# Altium PCB PCB_IC.PcbDoc (part 1 of 4)
Units mm, origin at the board's own origin, x right, y up, seen from the top; angles counter-clockwise.
Board outline 86.27 x 163.53 mm, 4 copper layers (Top Layer, Mid 1, Mid 2, Bottom Layer), stack 0.778 mm thick; 429 components, 360 nets, 1348 pads, 311 vias.
Unrouted connection lines stored in the file: 4.
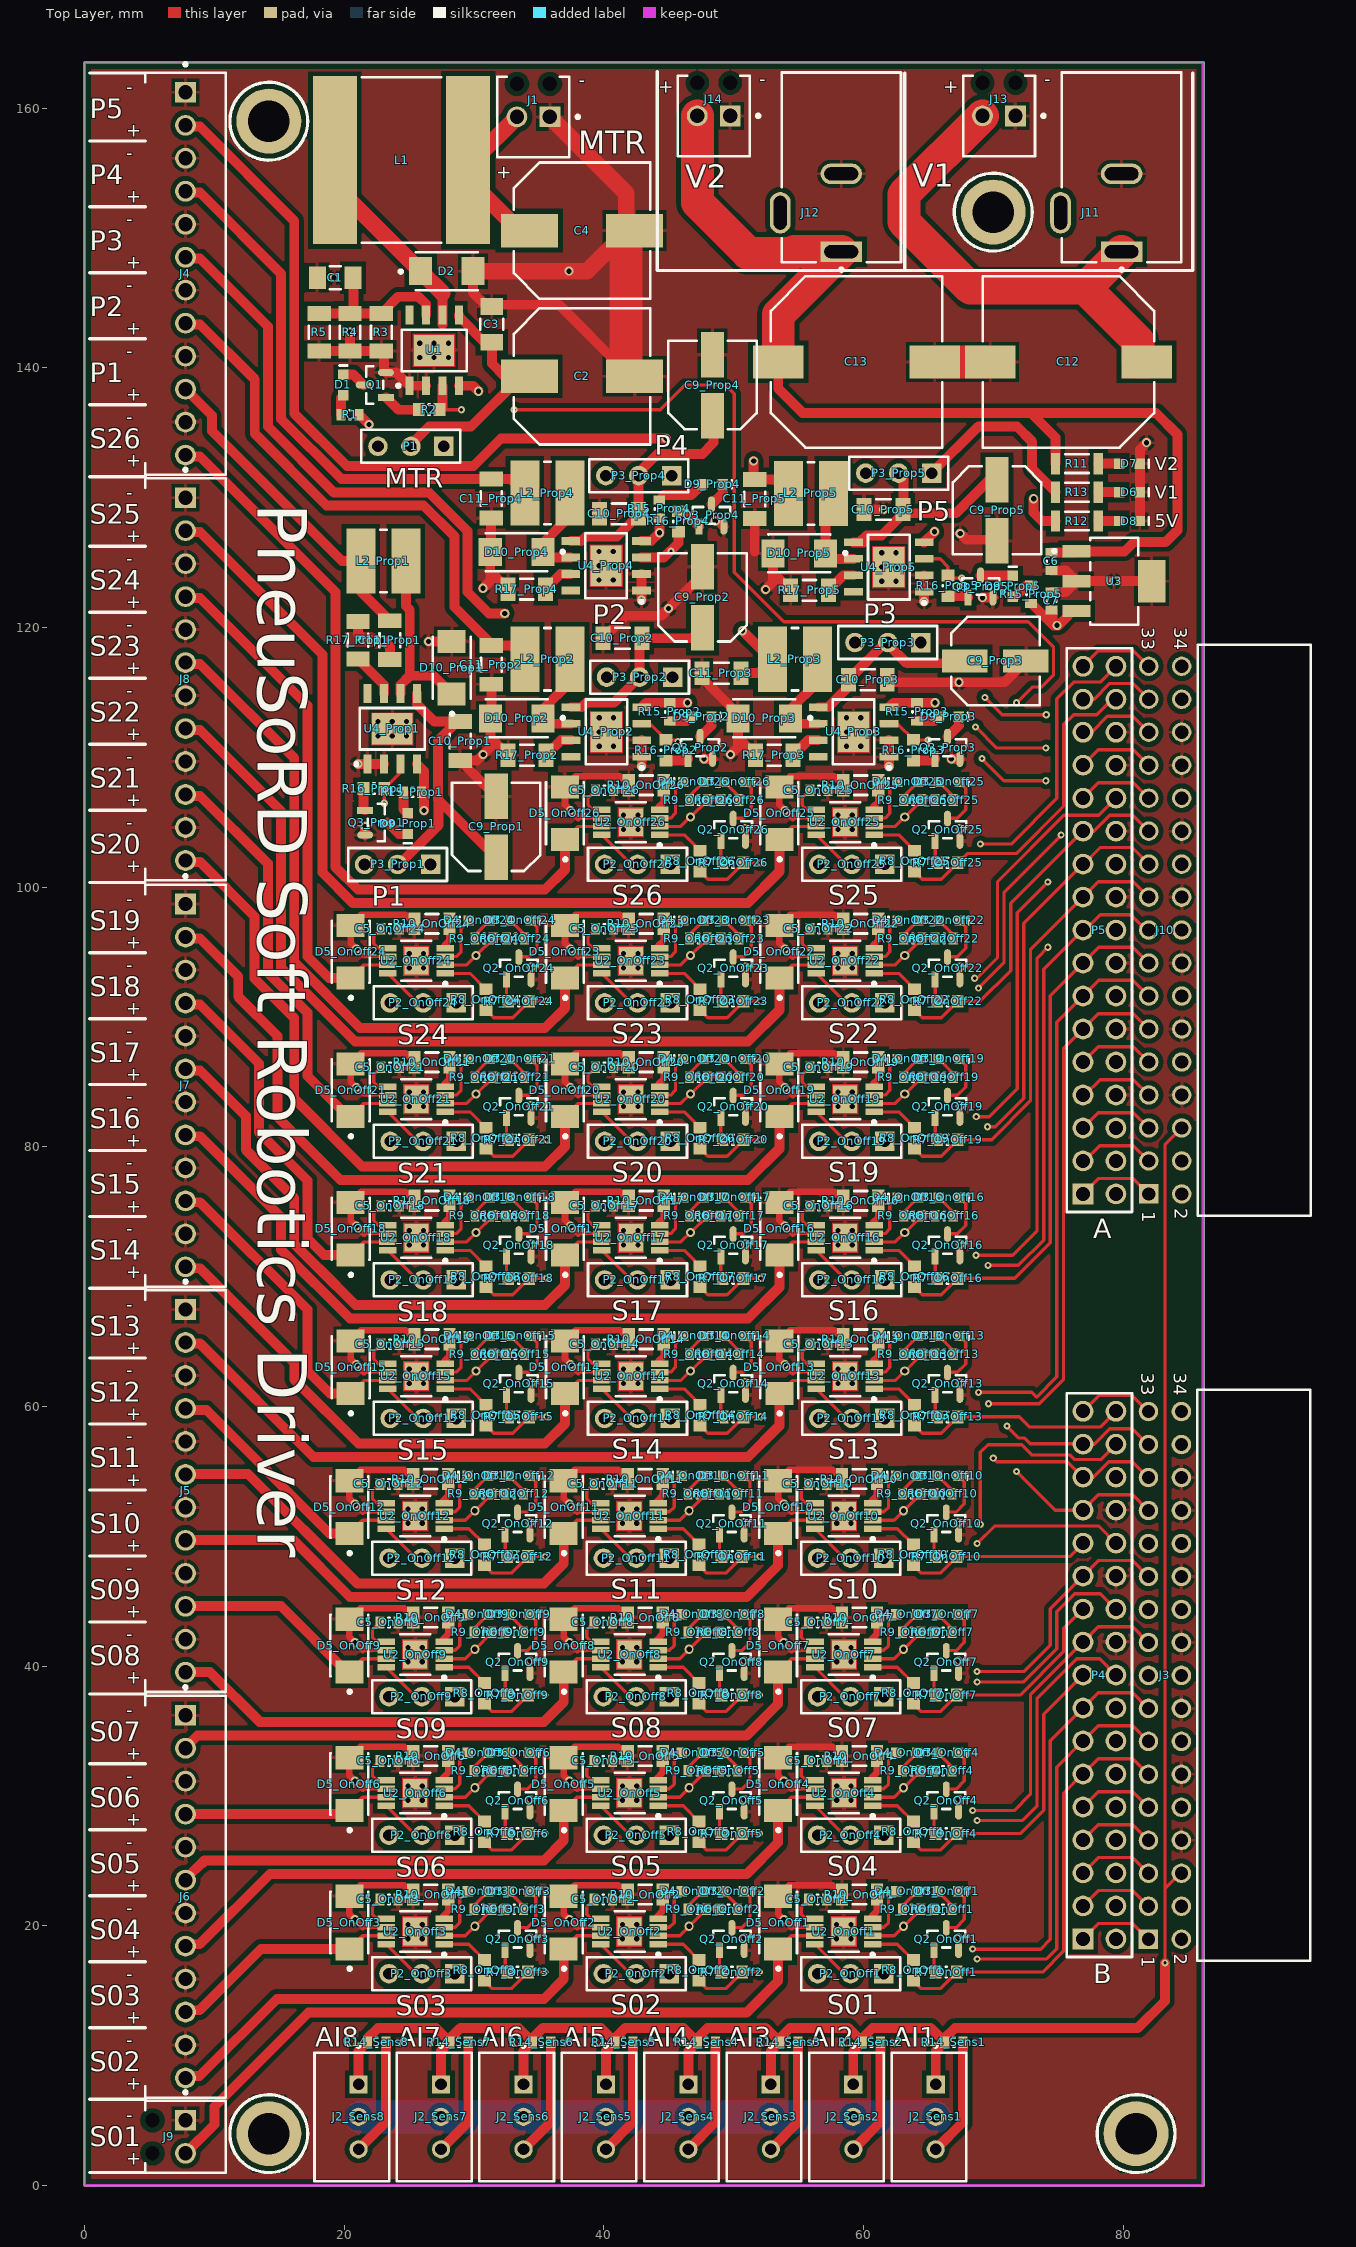
[diagram p0: Top Layer view]
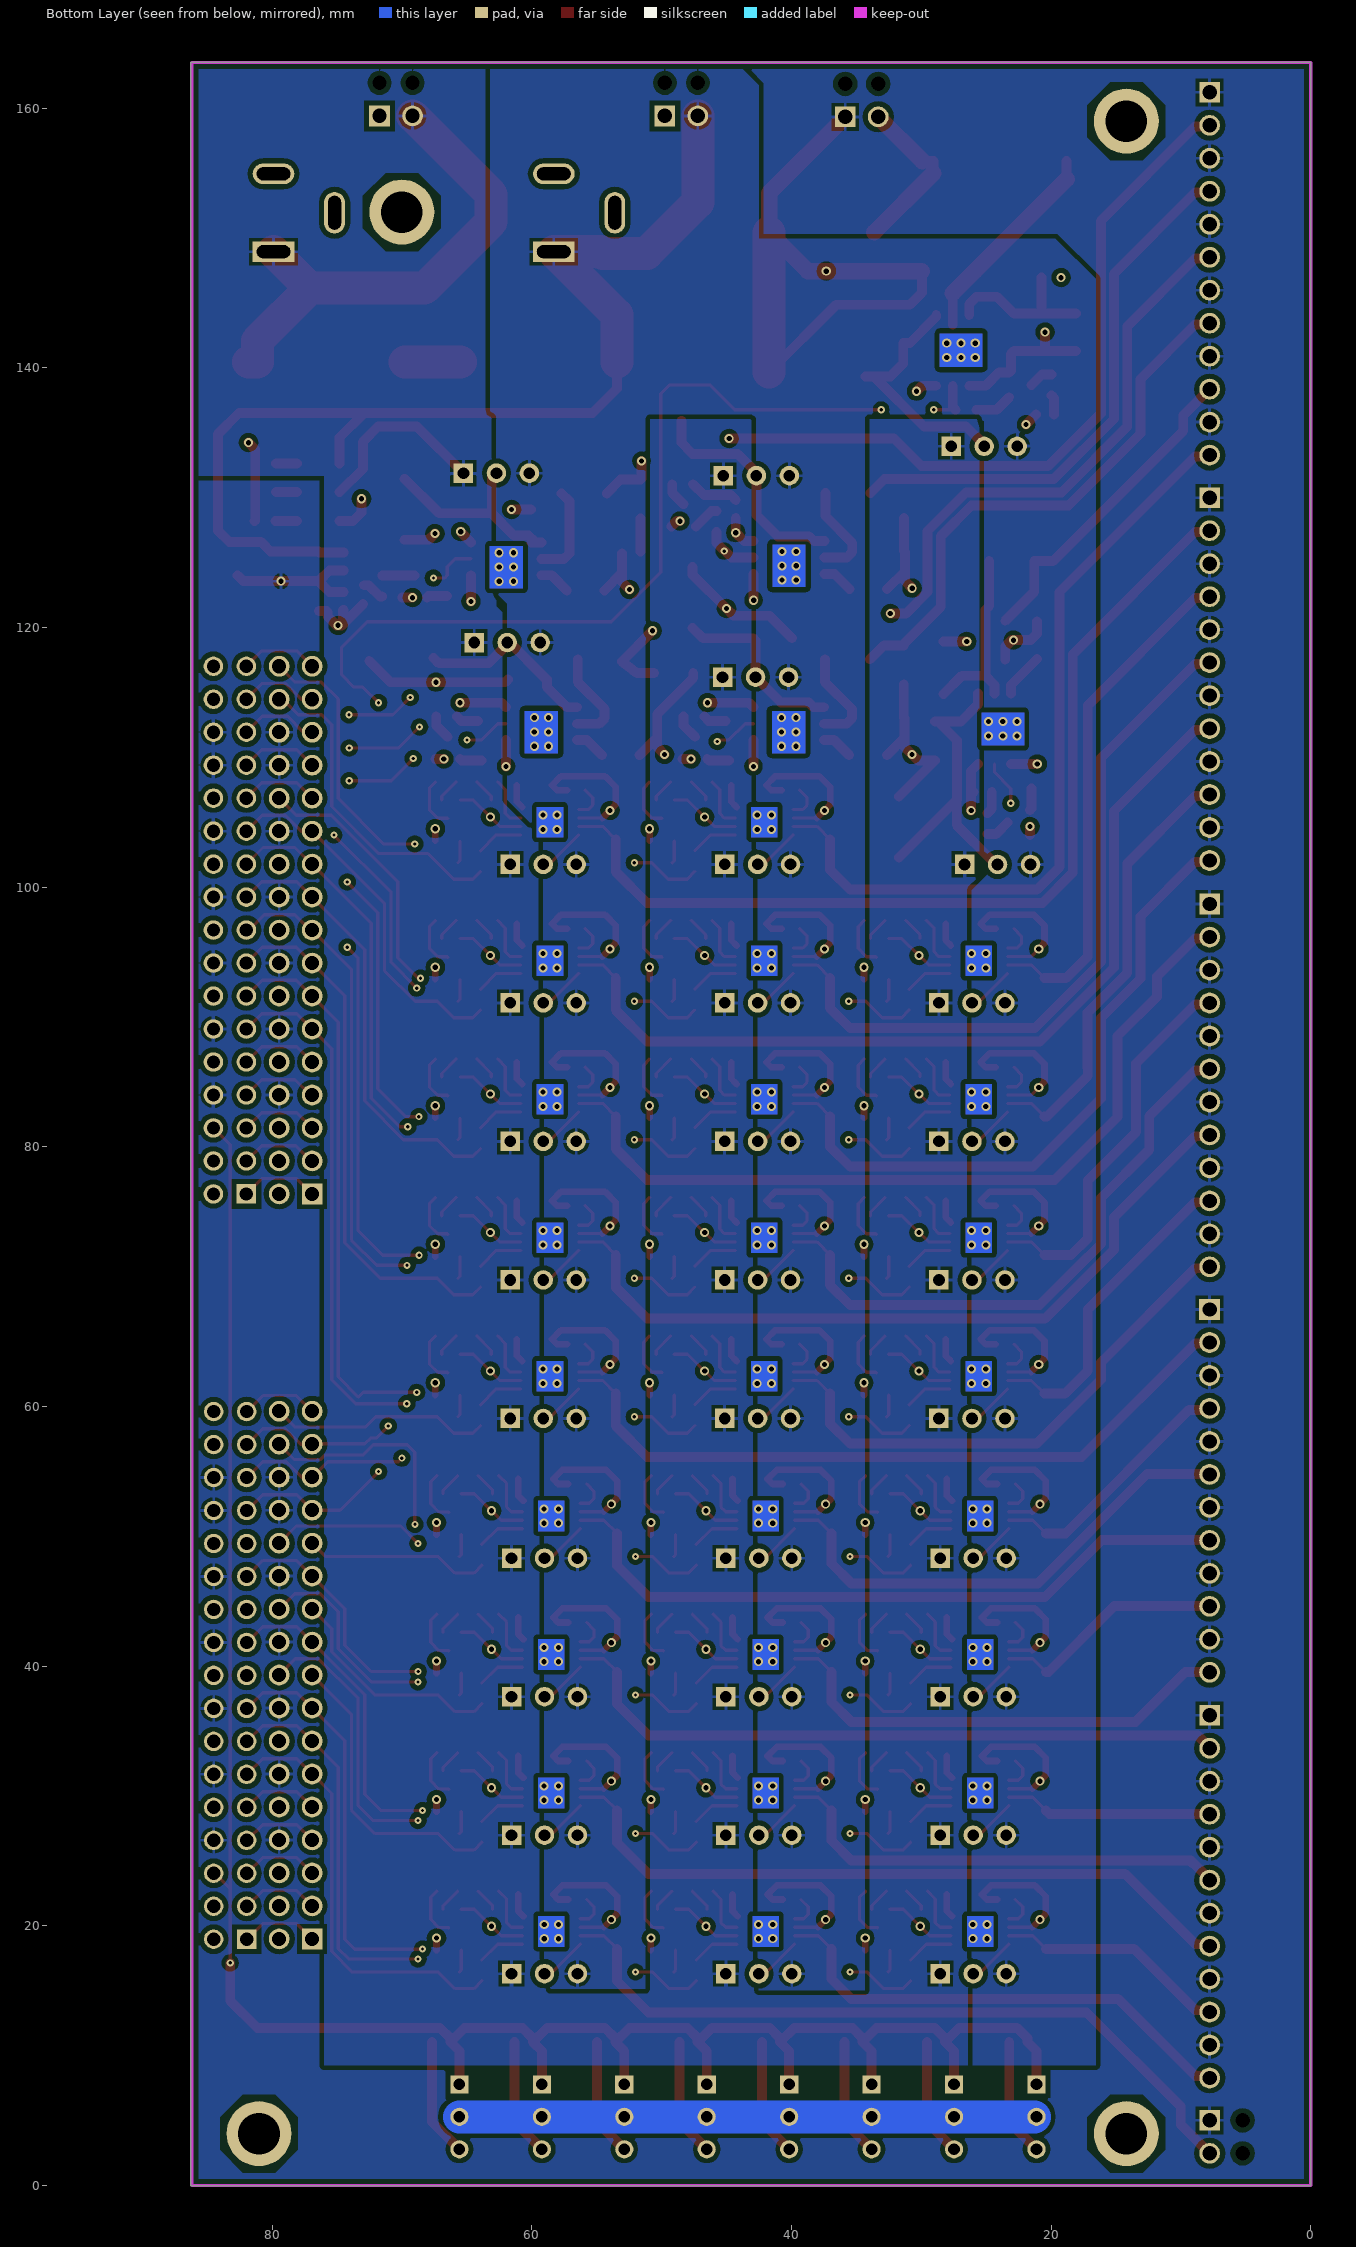
[diagram p1: Bottom Layer view, seen from below]
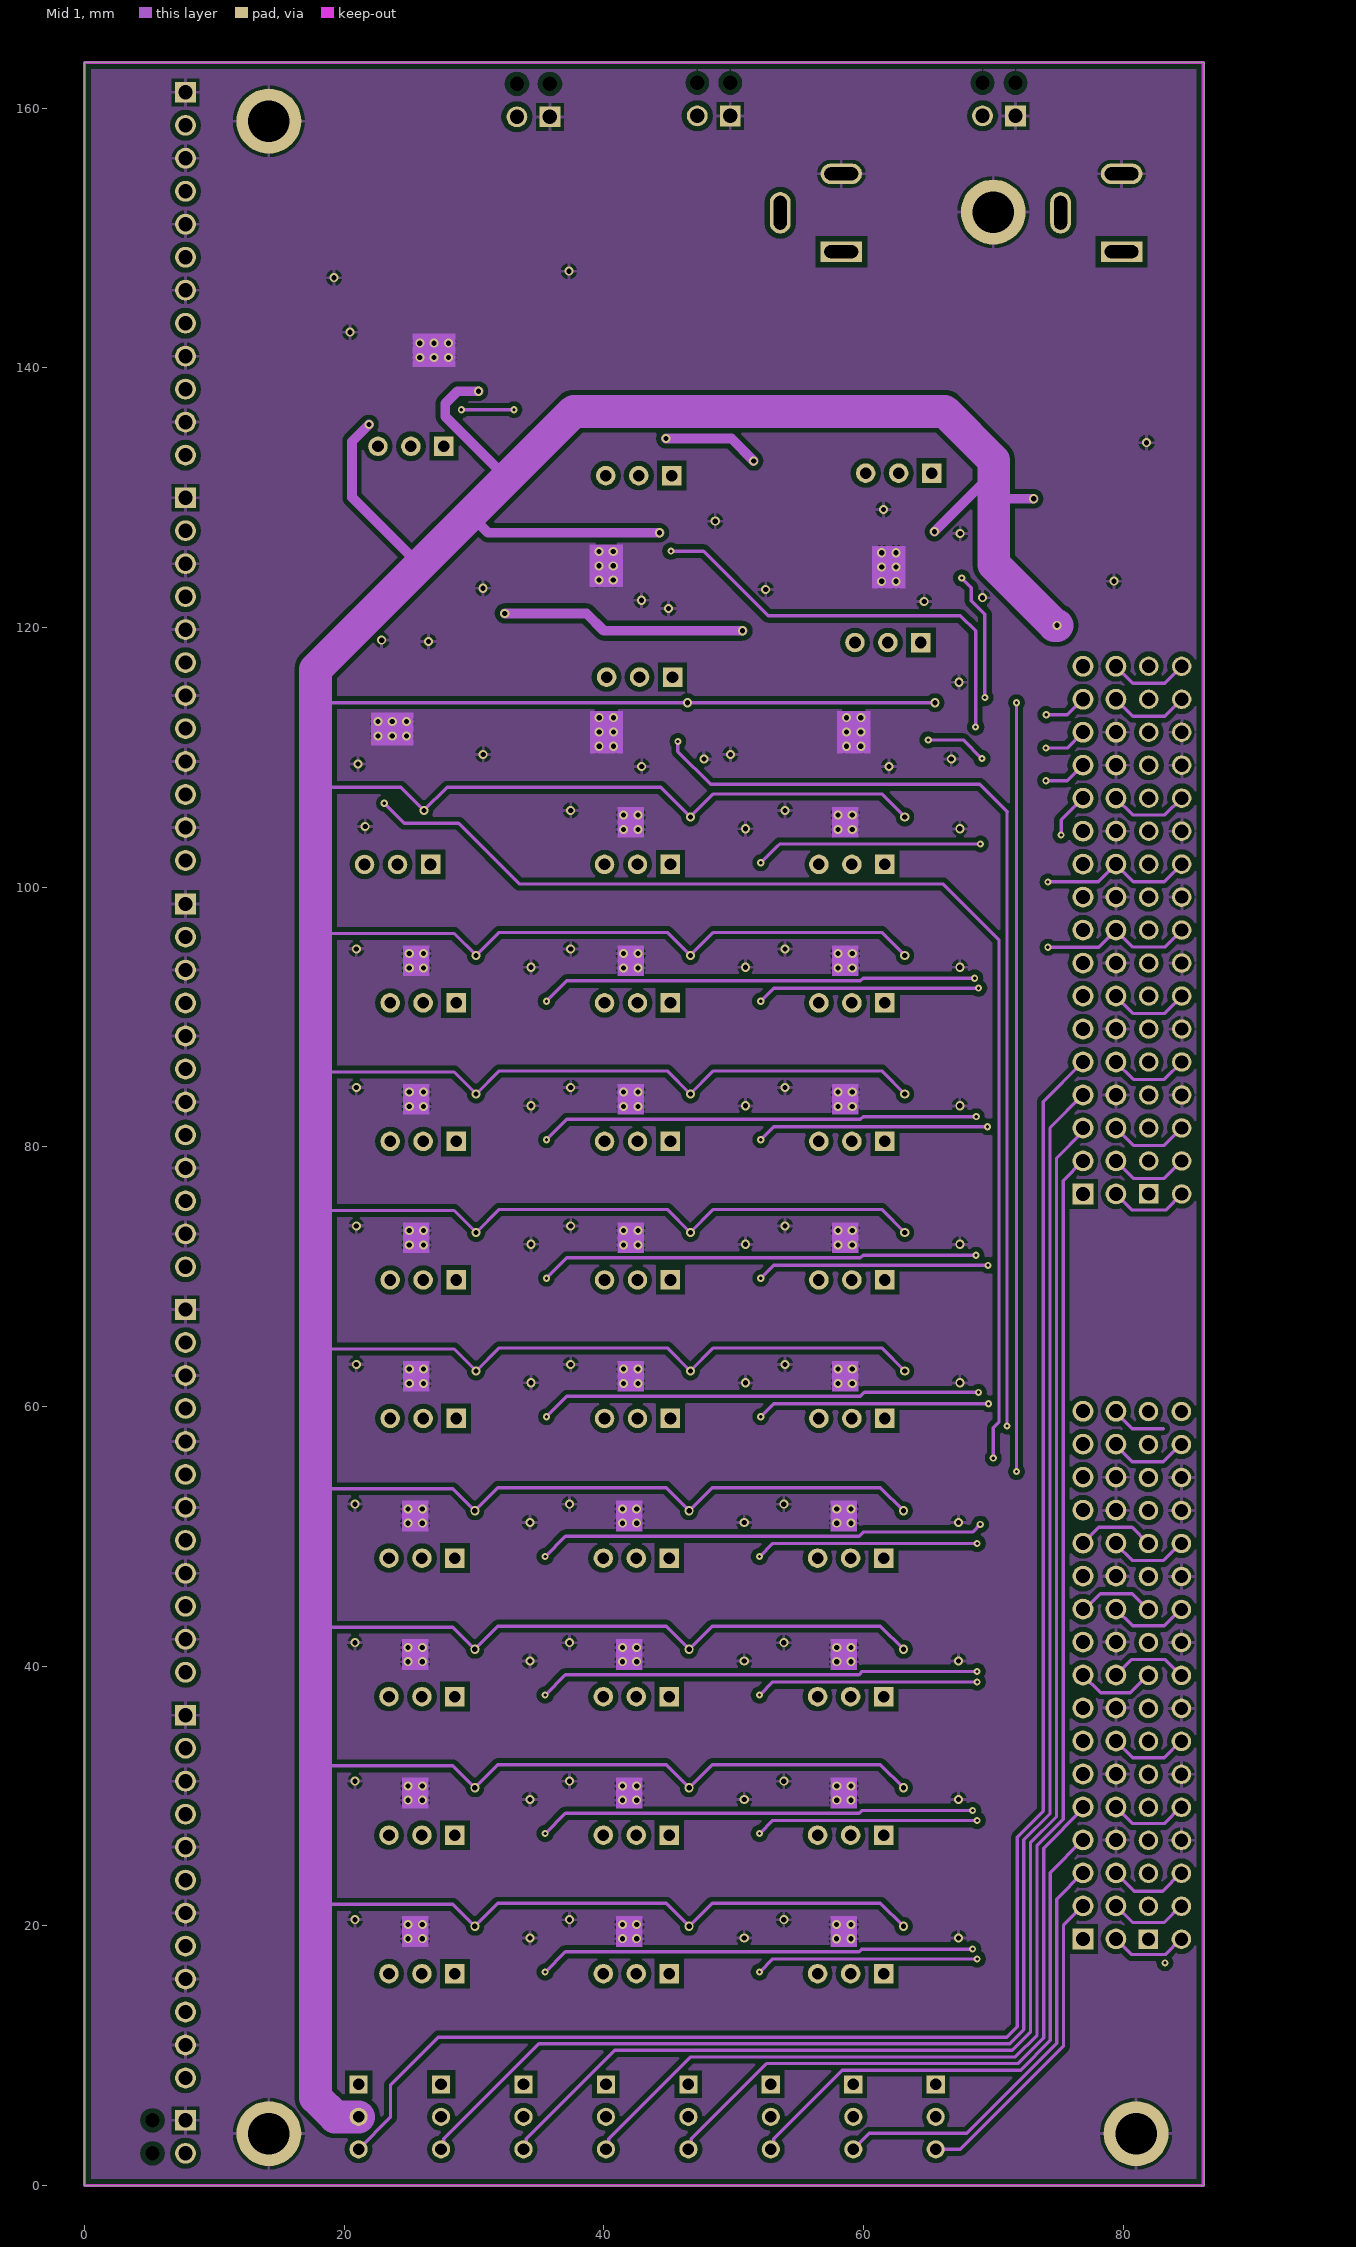
[diagram p2: Mid 1]
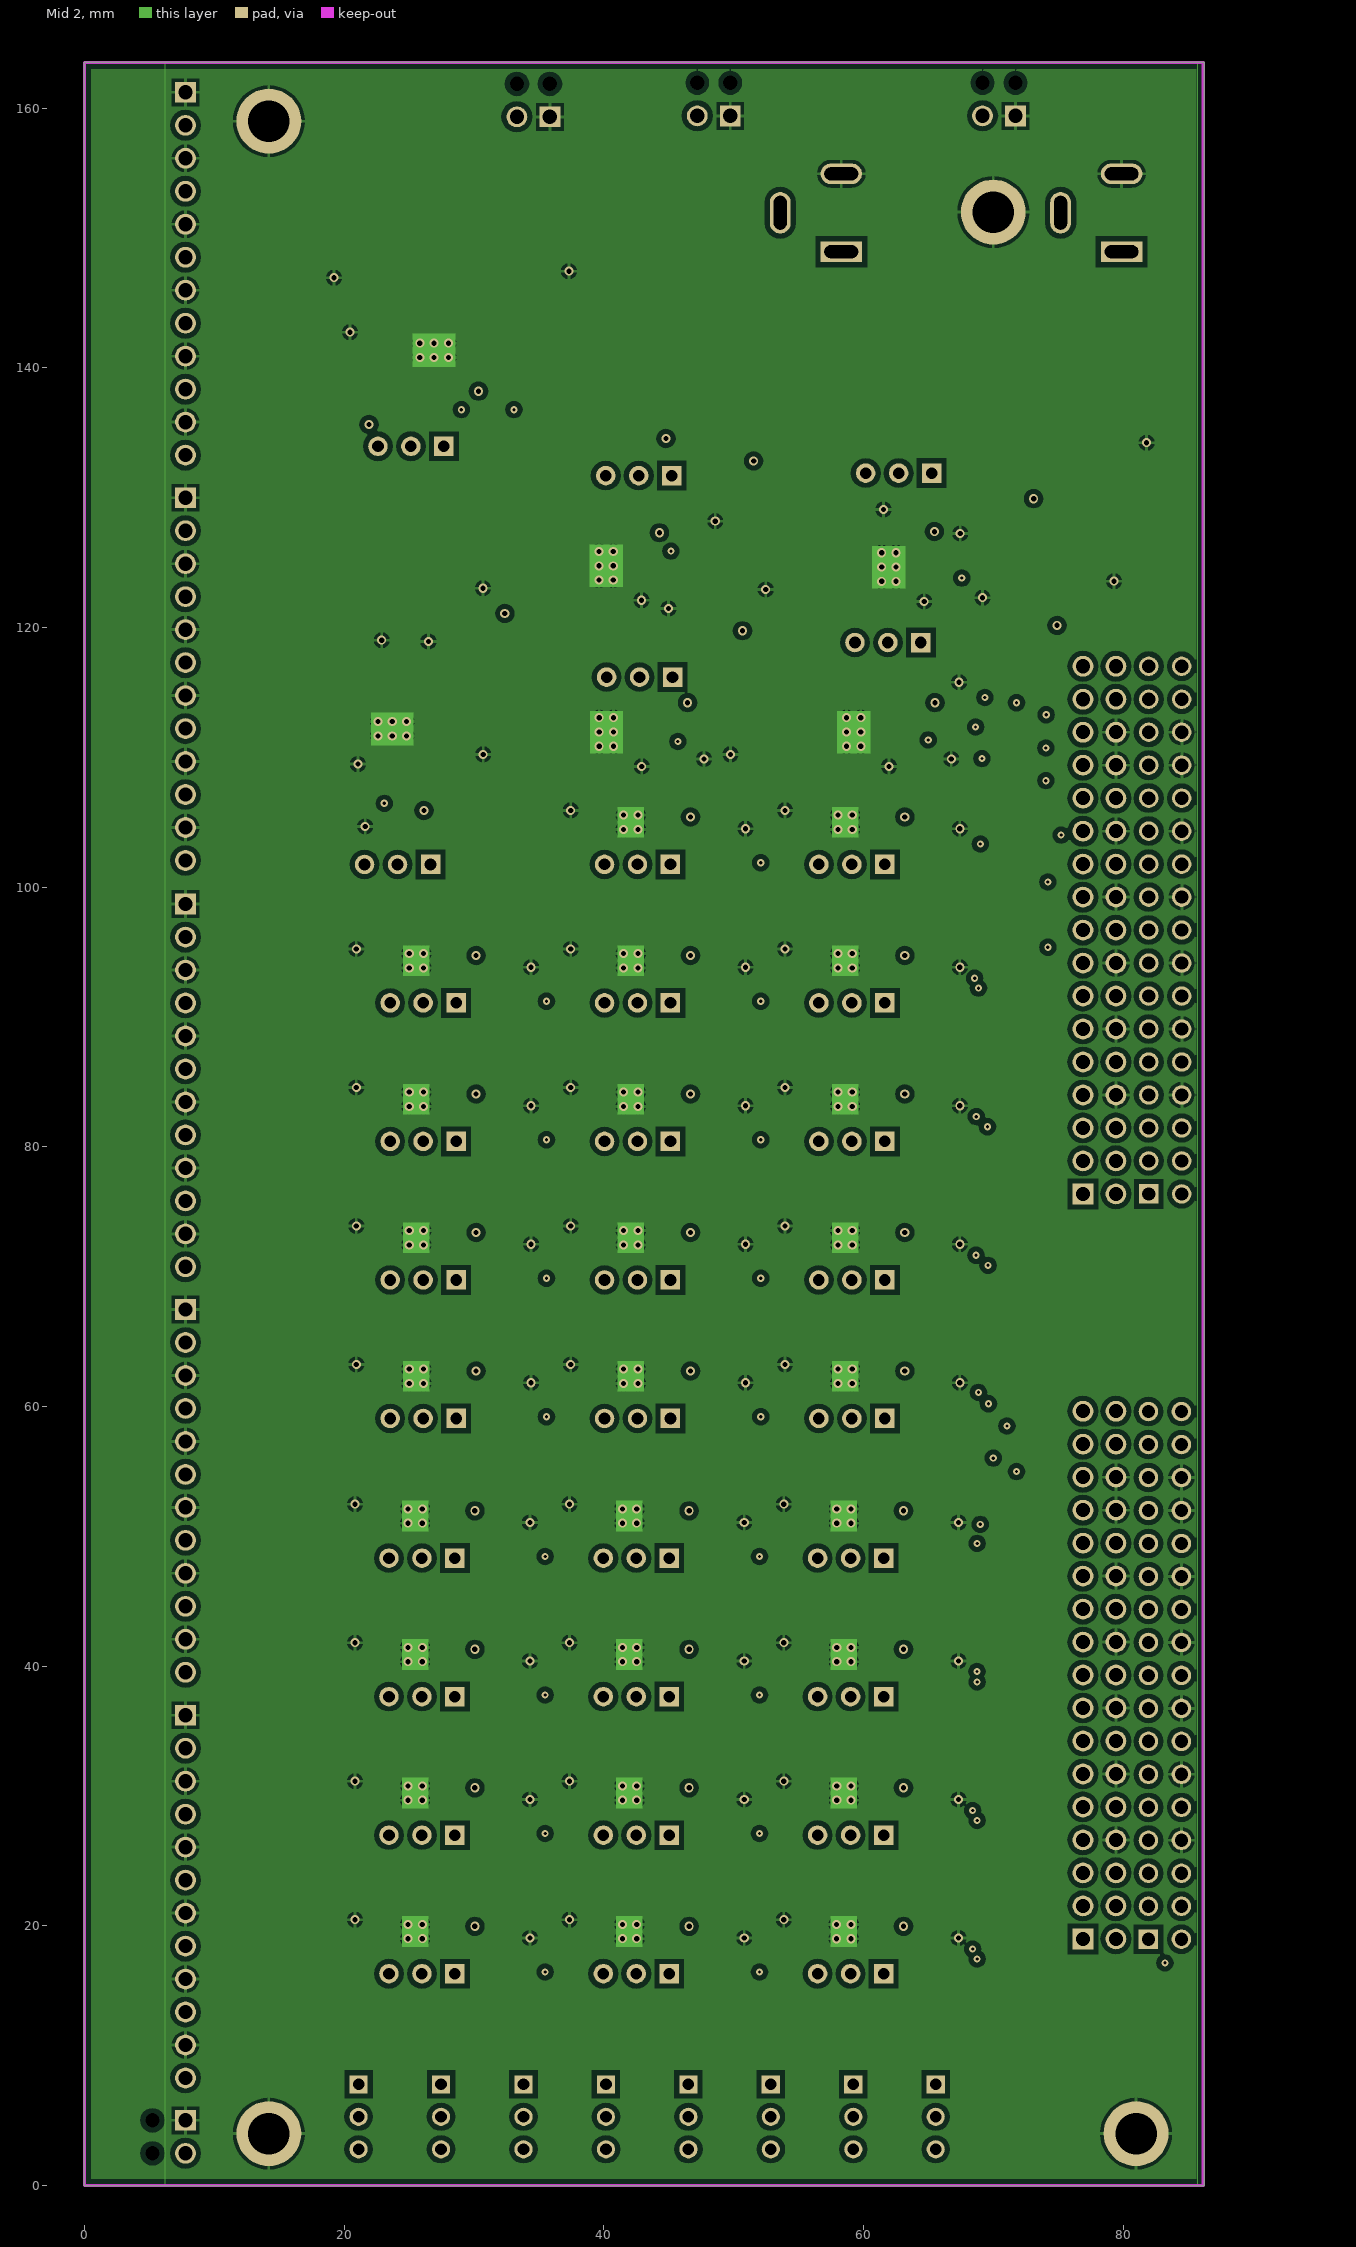
[diagram p3: Mid 2]

## Layer stack, top to bottom
Top Solder: solder mask 0.0102, Solder Resist, Dk 3.5
Top Layer: signal copper 0.0356
Dielectric 1: core 0.254, FR-4, Dk 4.2
Mid 1: signal copper 0.036
Dielectric 3: prepreg 0.127, Dk 4.2
Mid 2: signal copper 0.036
Dielectric 2: core 0.254, Dk 4.2
Bottom Layer: signal copper 0.0356
Bottom Solder: solder mask 0.0102, Solder Resist, Dk 3.5

## Board outline
0,0 86.267,0 86.267,163.525 0,163.525

## Design rules (kind name [scope] priority, off if disabled: settings)
BoardOutlineClearance [not(IsText)] p1 off: gap=0.7 ignorepadtopadclearanceinfootprint=FALSE
Clearance "Polygon Clearance" [InPolygon] p1: gap=0.381 ignorepadtopadclearanceinfootprint=TRUE
Clearance [All] p2: gap=0.254 ignorepadtopadclearanceinfootprint=TRUE except(0: Arc-Hole Track-Hole SMDPad-Hole THPad-Hole Via-Hole Fill-Hole Poly-Hole Region-Hole Text-Hole)
PolygonConnect [All] p1: connectstyle=Relief reliefconductorwidth=0.254 reliefentries=4 polygonreliefangle="90 Angle" airgapwidth=0.254
RoomDefinition Prop1 [InComponentClass('Prop1')] p1 off: confinementstyle=ConfineIn formatcopy=TRUE lockcomponents=FALSE outline 19.846,128.428 19.846,100.33 35.569,100.33 35.569,128.428
RoomDefinition Prop5 [InComponentClass('Prop5')] p2 off: confinementstyle=ConfineIn formatcopy=TRUE lockcomponents=FALSE outline 50.072,121.274 73.567,121.274 73.567,133.452 50.072,133.452
RoomDefinition Prop4 [InComponentClass('Prop4')] p3 off: confinementstyle=ConfineIn formatcopy=TRUE lockcomponents=FALSE outline 30.133,121.666 50.022,121.666 50.022,133.359 30.133,133.359
RoomDefinition Prop3 [InComponentClass('Prop3')] p4 off: confinementstyle=ConfineIn formatcopy=TRUE lockcomponents=FALSE outline 46.186,108.87 74.477,108.87 74.477,121.172 46.186,121.172
RoomDefinition Prop2 [InComponentClass('Prop2')] p5 off: confinementstyle=ConfineIn formatcopy=TRUE lockcomponents=FALSE outline 29.905,108.687 51.444,108.687 51.444,126.848 29.905,126.848
RoomDefinition SoftRoboticsToolKit [InComponentClass('SoftRoboticsToolKit')] p6 off: confinementstyle=ConfineIn formatcopy=TRUE lockcomponents=FALSE outline 6.588,0.813 84.999,0.813 84.999,163.551 6.588,163.551
RoomDefinition Sens8 [InComponentClass('Sens8')] p7 off: confinementstyle=ConfineIn formatcopy=TRUE lockcomponents=FALSE outline 17.433,0 23.783,0 23.783,11.684 17.433,11.684
RoomDefinition Sens7 [InComponentClass('Sens7')] p8 off: confinementstyle=ConfineIn formatcopy=TRUE lockcomponents=FALSE outline 23.783,0 30.133,0 30.133,11.684 23.783,11.684
RoomDefinition Sens6 [InComponentClass('Sens6')] p9 off: confinementstyle=ConfineIn formatcopy=TRUE lockcomponents=FALSE outline 30.133,0 36.483,0 36.483,11.684 30.133,11.684
RoomDefinition Sens5 [InComponentClass('Sens5')] p10 off: confinementstyle=ConfineIn formatcopy=TRUE lockcomponents=FALSE outline 36.483,0 42.833,0 42.833,11.684 36.483,11.684
RoomDefinition Sens4 [InComponentClass('Sens4')] p11 off: confinementstyle=ConfineIn formatcopy=TRUE lockcomponents=FALSE outline 42.833,0 49.183,0 49.183,11.684 42.833,11.684
RoomDefinition Sens3 [InComponentClass('Sens3')] p12 off: confinementstyle=ConfineIn formatcopy=TRUE lockcomponents=FALSE outline 49.183,0 55.533,0 55.533,11.684 49.183,11.684
RoomDefinition Sens2 [InComponentClass('Sens2')] p13 off: confinementstyle=ConfineIn formatcopy=TRUE lockcomponents=FALSE outline 55.533,0 61.883,0 61.883,11.684 55.533,11.684
RoomDefinition Sens1 [InComponentClass('Sens1')] p14 off: confinementstyle=ConfineIn formatcopy=TRUE lockcomponents=FALSE outline 61.883,0 68.233,0 68.233,11.684 61.883,11.684
RoomDefinition PowerSuppply [InComponentClass('PowerSuppply')] p15 off: confinementstyle=ConfineIn formatcopy=TRUE lockcomponents=FALSE outline 73.715,119.826 83.621,119.826 83.621,132.461 73.715,132.461
RoomDefinition OnOff26 [InComponentClass('OnOff26')] p16 off: confinementstyle=ConfineIn formatcopy=TRUE lockcomponents=FALSE outline 35.232,100.234 51.742,100.234 51.742,108.87 35.232,108.87
RoomDefinition OnOff25 [InComponentClass('OnOff25')] p17 off: confinementstyle=ConfineIn formatcopy=TRUE lockcomponents=FALSE outline 51.742,100.234 68.252,100.234 68.252,108.87 51.742,108.87
RoomDefinition OnOff24 [InComponentClass('OnOff24')] p18 off: confinementstyle=ConfineIn formatcopy=TRUE lockcomponents=FALSE outline 18.722,89.566 35.232,89.566 35.232,98.202 18.722,98.202
RoomDefinition OnOff23 [InComponentClass('OnOff23')] p19 off: confinementstyle=ConfineIn formatcopy=TRUE lockcomponents=FALSE outline 35.232,89.566 51.742,89.566 51.742,98.202 35.232,98.202
RoomDefinition OnOff22 [InComponentClass('OnOff22')] p20 off: confinementstyle=ConfineIn formatcopy=TRUE lockcomponents=FALSE outline 51.742,89.566 68.252,89.566 68.252,98.202 51.742,98.202
RoomDefinition OnOff21 [InComponentClass('OnOff21')] p21 off: confinementstyle=ConfineIn formatcopy=TRUE lockcomponents=FALSE outline 18.722,78.898 35.232,78.898 35.232,87.534 18.722,87.534
RoomDefinition OnOff20 [InComponentClass('OnOff20')] p22 off: confinementstyle=ConfineIn formatcopy=TRUE lockcomponents=FALSE outline 35.232,78.898 51.742,78.898 51.742,87.534 35.232,87.534
RoomDefinition OnOff19 [InComponentClass('OnOff19')] p23 off: confinementstyle=ConfineIn formatcopy=TRUE lockcomponents=FALSE outline 51.742,78.898 68.252,78.898 68.252,87.534 51.742,87.534
RoomDefinition OnOff18 [InComponentClass('OnOff18')] p24 off: confinementstyle=ConfineIn formatcopy=TRUE lockcomponents=FALSE outline 18.722,68.23 35.232,68.23 35.232,76.866 18.722,76.866
RoomDefinition OnOff17 [InComponentClass('OnOff17')] p25 off: confinementstyle=ConfineIn formatcopy=TRUE lockcomponents=FALSE outline 35.232,68.23 51.742,68.23 51.742,76.866 35.232,76.866
RoomDefinition OnOff16 [InComponentClass('OnOff16')] p26 off: confinementstyle=ConfineIn formatcopy=TRUE lockcomponents=FALSE outline 51.742,68.23 68.252,68.23 68.252,76.866 51.742,76.866
RoomDefinition OnOff15 [InComponentClass('OnOff15')] p27 off: confinementstyle=ConfineIn formatcopy=TRUE lockcomponents=FALSE outline 18.722,57.562 35.232,57.562 35.232,66.198 18.722,66.198
RoomDefinition OnOff14 [InComponentClass('OnOff14')] p28 off: confinementstyle=ConfineIn formatcopy=TRUE lockcomponents=FALSE outline 35.232,57.562 51.742,57.562 51.742,66.198 35.232,66.198
RoomDefinition OnOff13 [InComponentClass('OnOff13')] p29 off: confinementstyle=ConfineIn formatcopy=TRUE lockcomponents=FALSE outline 51.742,57.562 68.252,57.562 68.252,66.198 51.742,66.198
RoomDefinition OnOff12 [InComponentClass('OnOff12')] p30 off: confinementstyle=ConfineIn formatcopy=TRUE lockcomponents=FALSE outline 18.626,46.798 35.136,46.798 35.136,55.434 18.626,55.434
RoomDefinition OnOff11 [InComponentClass('OnOff11')] p31 off: confinementstyle=ConfineIn formatcopy=TRUE lockcomponents=FALSE outline 35.136,46.798 51.646,46.798 51.646,55.434 35.136,55.434
RoomDefinition OnOff10 [InComponentClass('OnOff10')] p32 off: confinementstyle=ConfineIn formatcopy=TRUE lockcomponents=FALSE outline 51.646,46.798 68.156,46.798 68.156,55.434 51.646,55.434
RoomDefinition OnOff9 [InComponentClass('OnOff9')] p33 off: confinementstyle=ConfineIn formatcopy=TRUE lockcomponents=FALSE outline 18.626,36.13 35.136,36.13 35.136,44.766 18.626,44.766
RoomDefinition OnOff8 [InComponentClass('OnOff8')] p34 off: confinementstyle=ConfineIn formatcopy=TRUE lockcomponents=FALSE outline 35.136,36.13 51.646,36.13 51.646,44.766 35.136,44.766
RoomDefinition OnOff7 [InComponentClass('OnOff7')] p35 off: confinementstyle=ConfineIn formatcopy=TRUE lockcomponents=FALSE outline 51.646,36.13 68.156,36.13 68.156,44.766 51.646,44.766
RoomDefinition OnOff6 [InComponentClass('OnOff6')] p36 off: confinementstyle=ConfineIn formatcopy=TRUE lockcomponents=FALSE outline 18.626,25.462 35.136,25.462 35.136,34.098 18.626,34.098
RoomDefinition OnOff5 [InComponentClass('OnOff5')] p37 off: confinementstyle=ConfineIn formatcopy=TRUE lockcomponents=FALSE outline 35.136,25.462 51.646,25.462 51.646,34.098 35.136,34.098
RoomDefinition OnOff4 [InComponentClass('OnOff4')] p38 off: confinementstyle=ConfineIn formatcopy=TRUE lockcomponents=FALSE outline 51.646,25.462 68.156,25.462 68.156,34.098 51.646,34.098
RoomDefinition OnOff3 [InComponentClass('OnOff3')] p39 off: confinementstyle=ConfineIn formatcopy=TRUE lockcomponents=FALSE outline 18.626,14.794 35.136,14.794 35.136,23.43 18.626,23.43
RoomDefinition OnOff2 [InComponentClass('OnOff2')] p40 off: confinementstyle=ConfineIn formatcopy=TRUE lockcomponents=FALSE outline 35.136,14.794 51.646,14.794 51.646,23.43 35.136,23.43
RoomDefinition OnOff1 [InComponentClass('OnOff1')] p41 off: confinementstyle=ConfineIn formatcopy=TRUE lockcomponents=FALSE outline 51.646,14.794 68.156,14.794 68.156,23.43 51.646,23.43
RoomDefinition Designator [InComponentClass('Designator')] p42 off: confinementstyle=ConfineIn formatcopy=TRUE lockcomponents=FALSE outline 16.661,132.182 45.007,132.182 45.007,162.992 16.661,162.992
RoutingVias RoutingVias_1 [InNetClass('HC')] p1: holewidth=0.4 width=0.7 viastyle="Through Hole" minholewidth=0.4 minwidth=0.7 maxholewidth=0.4 maxwidth=0.7
RoutingVias [All] p2: holewidth=0.2 width=0.5 viastyle="Through Hole" minholewidth=0.2 minwidth=0.5 maxholewidth=0.4 maxwidth=0.7
SolderMaskExpansion [All] p1: expansion=0.102 istentingtop=FALSE
Width [All] p1: maxlimit=5.08 minlimit=0.254 preferedwidth=0.762 toplayer_maxwidth=2.54 midlayer1_maxwidth=2.54 midlayer2_maxwidth=1.27 minimp=50.000000 maximp=50.000000 favimp=50.000000
30 further rules are at their usual default settings.
